# Altium PCB UAARG Autopilot.PcbDoc (part 1 of 4) (continued)
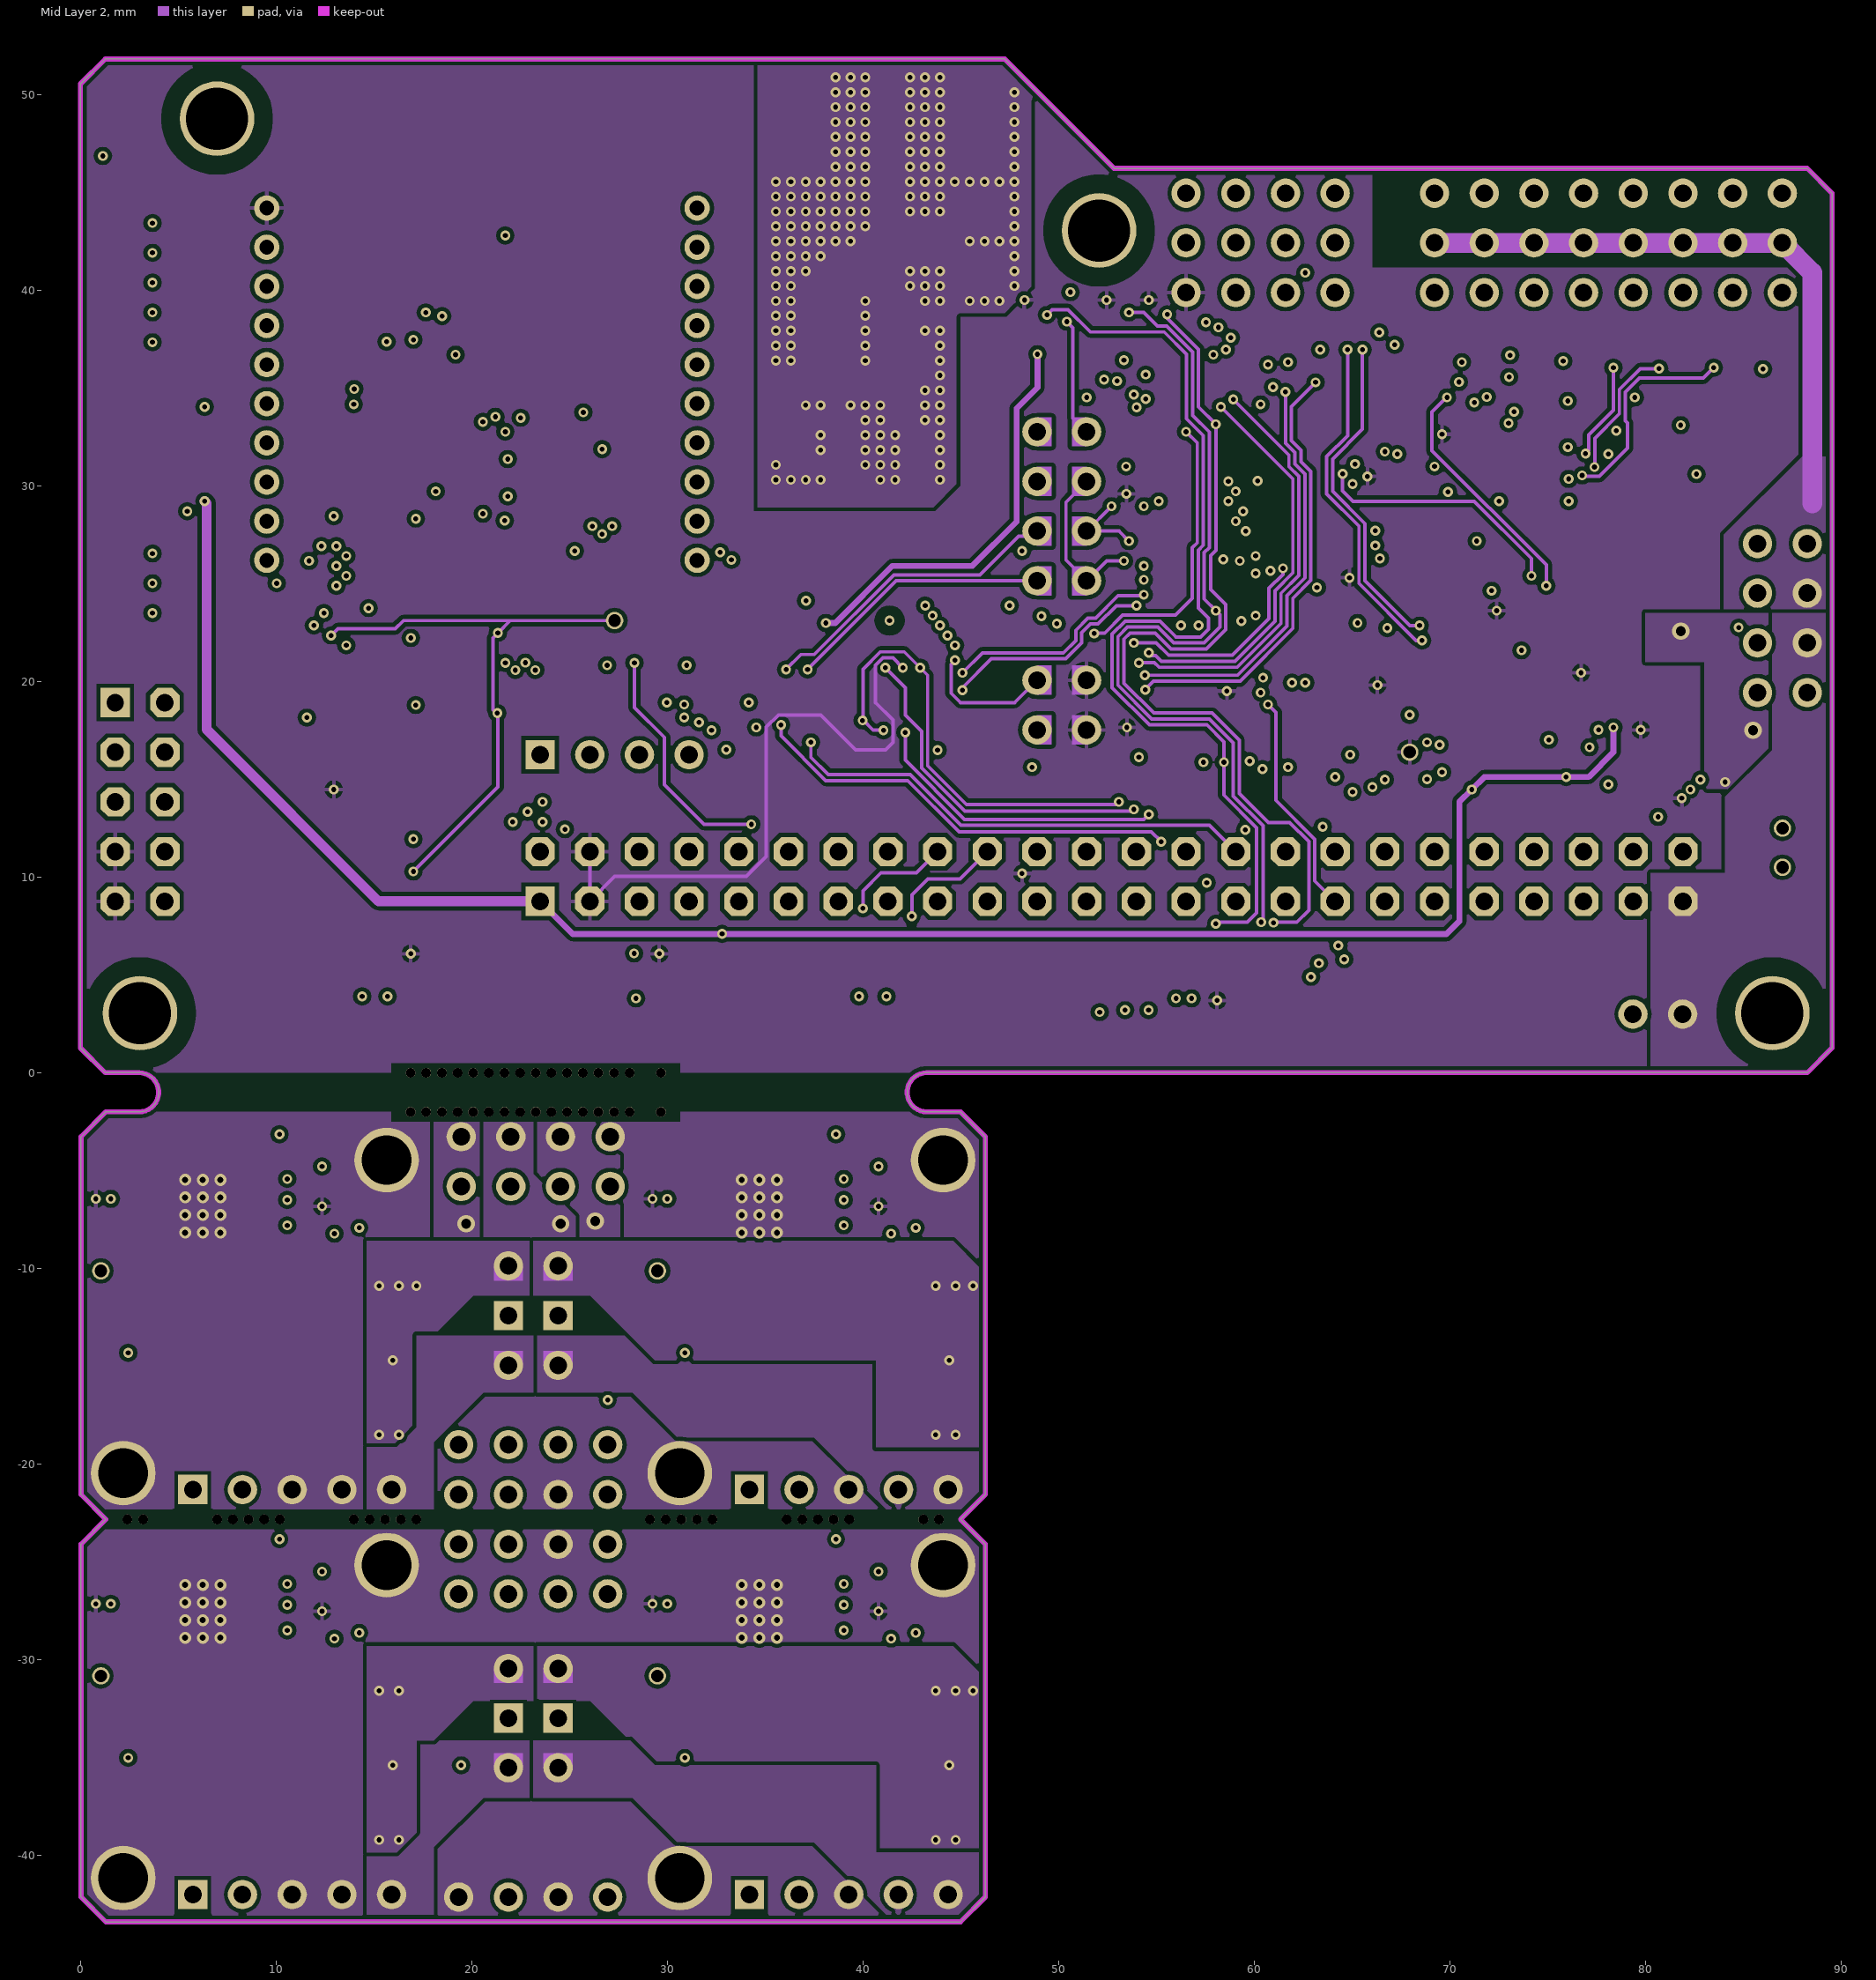
[diagram p3: Mid Layer 2]
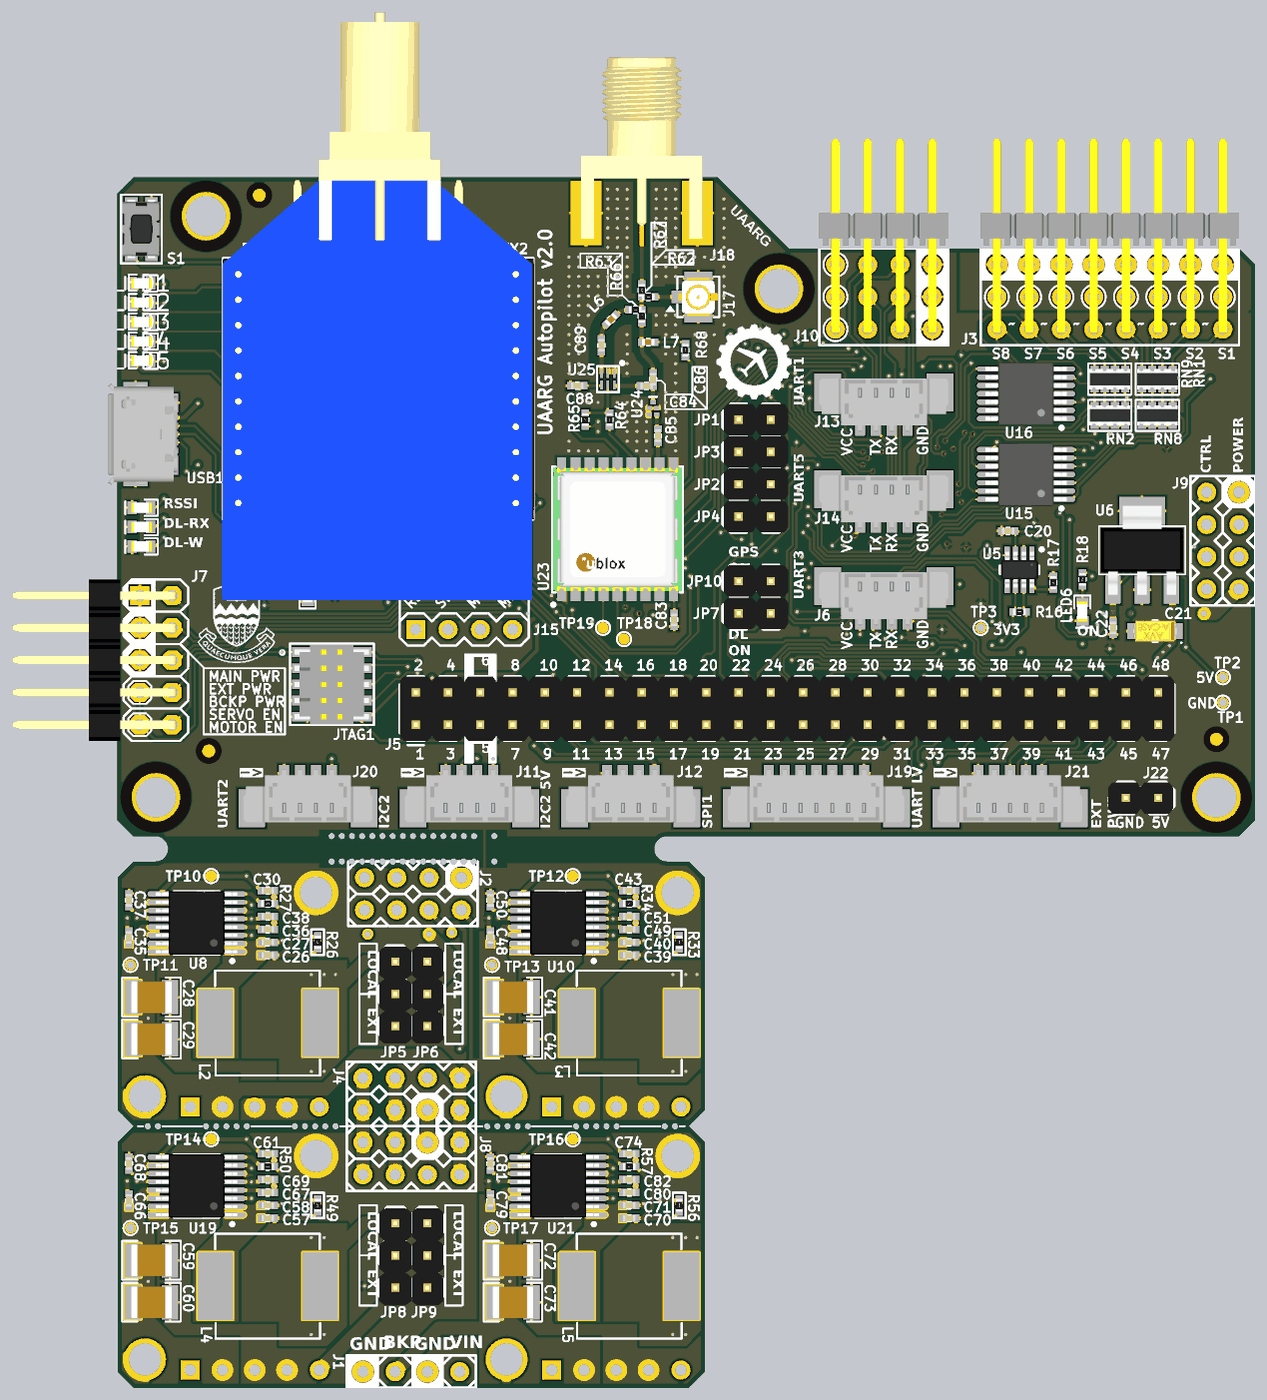
[diagram p7: 3D render of the assembled board from above, using the file's embedded part models]
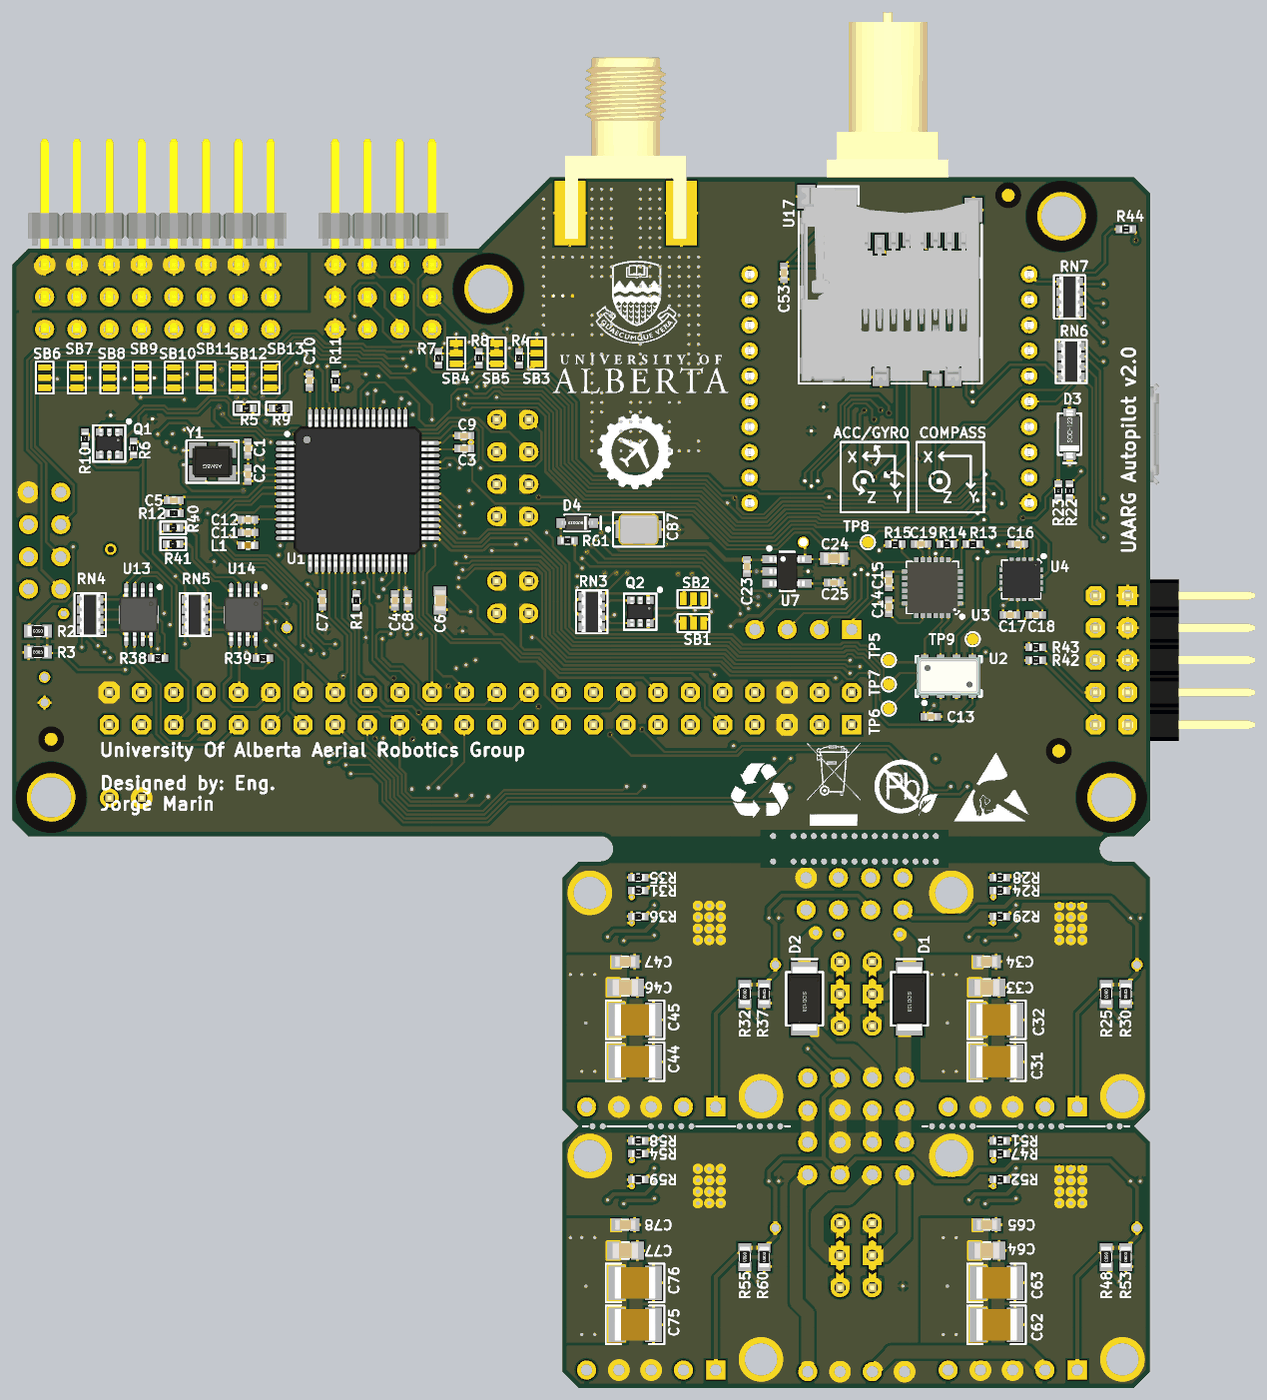
[diagram p8: 3D render of the assembled board from below, using the file's embedded part models]

## Layer stack, top to bottom
Top Solder: solder mask 0.0254, Solder Resist, Dk 3.5
Top Layer: signal copper 0.0356
Dielectric1: core 0.1702, FR-408, Dk 3.66
Mid Layer 1: signal copper 0.0178
Dielectric3: prepreg 1.1938, FR-408, Dk 3.66
Mid Layer 2: signal copper 0.0178
Dielectric2: core 0.1702, FR-408, Dk 3.66
Bottom Layer: signal copper 0.0356
Bottom Solder: solder mask 0.0254, Solder Resist, Dk 3.5

## Board outline
0.03,-42.132 1.3,-43.402 44.988,-43.402 46.258,-42.132 46.258,-24.098 44.988,-22.828 46.258,-21.558 46.258,-3.27 44.988,-2 43.258,-2 cw(c43.258,-1) 43.258,0 88.265,0 89.535,1.27 89.535,44.958 88.265,46.228 52.832,46.228 47.244,51.816 1.27,51.816 0,50.546 0,1.27 1.27,0 3,0 cw(c3,-1) 3,-2 1.3,-2 0.03,-3.27 0.03,-21.558 1.3,-22.828 0.03,-24.098

## Design rules (kind name [scope] priority, off if disabled: settings)
Clearance Clearance_Poly_Antenna [InPolygon vs (InNet('NetJ18_1') OR InNet('NetJ17_1') OR InNet('NetR58_2') OR InNet('RF_LNA') OR InNet('NetC87_1') OR InNet('NetC87_2') OR InNet('RF_OUT1') OR InNet('RF_OUT2') OR InNet('NetC82_2') OR InNet('NetC83_1') Or InNet('NetC83_2'))] p1: gap=0.508
Clearance Clearance_Poly [InPolygon] p2: gap=0.203
Clearance [All] p3: gap=0.127
ComponentClearance ComponentClearance_Conn [(InComponent('J2') OR InComponent('J4')) vs (InComponent('J8') OR InComponent('J9') OR InComponent('J11') OR InComponent('J12'))] p1: gap=0 collisioncheckmode=3 verticalgap=0 showdistances=FALSE
ComponentClearance ComponentClearance_RES/CAP [(InComponent('C84') OR InComponent('R62') OR InComponent('R63')) vs (InComponent('C86') OR InComponent('R66') OR InComponent('R67'))] p2: gap=0 collisioncheckmode=3 verticalgap=0 showdistances=FALSE
ComponentClearance ComponentClearance_Jumpers [(InComponent('JP1') OR InComponent('JP2') OR InComponent('JP3') OR InComponent('JP4') OR InComponent('JP6') OR InComponent('JP7') OR InComponent('JP8') OR InComponent('JP9') OR InComponent('JP11') OR InComponent('JP12') OR InComponent('JP13') OR InComponent('JP14'))] p3: gap=0 collisioncheckmode=3 verticalgap=0 showdistances=FALSE
ComponentClearance ComponentClearance_Ext_Buck [HasFootprint('D24V__F_')] p4: gap=0 collisioncheckmode=3 verticalgap=0 showdistances=FALSE
ComponentClearance ComponentClearance_XBee [InComponent('U12') vs (InComponent('EX1') OR InComponent('EX2'))] p5: gap=0 collisioncheckmode=3 verticalgap=0 showdistances=FALSE
ComponentClearance [All] p6: gap=0.254 collisioncheckmode=3 verticalgap=0.254 showdistances=FALSE
DiffPairsRouting [All] p1: maxlimit=0.254 minlimit=0.203 mostfreqgap=0.203 toplayer_minwidth=0.178 toplayer_maxwidth=0.381 toplayer_prefwidth=0.178 midlayer1_minwidth=0.178 midlayer1_maxwidth=0.381 midlayer1_prefwidth=0.178 midlayer2_minwidth=0.178 midlayer2_maxwidth=0.381 midlayer2_prefwidth=0.178 bottomlayer_minwidth=0.178 bottomlayer_maxwidth=0.381 bottomlayer_prefwidth=0.178 maxuncoupledlength=12.7
HoleSize [All] p1: absolutevalues=TRUE maxlimit=3.175 minlimit=0.025 maxpercent=80.000 minpercent=20.000
HoleToHoleClearance HoleToHoleClearance_XBee [InComponent('U12') vs (InComponent('EX1') OR InComponent('EX2'))] p1: gap=0 allowstackedmicrovias=FALSE
HoleToHoleClearance [All] p2: gap=0.254 allowstackedmicrovias=FALSE
MinimumSolderMaskSliver [All] p1: minsoldermaskwidth=0
PlaneClearance [All] p1: clearance=0.381
PolygonConnect PolygonConnect_Direct_Power [(InNet('VIN_BCKP') OR InNet('NetC57_1') OR InNet('VOUT_5V_BACKUP_LOCAL') OR InNet('VOUT_5V_BACKUP_SERVO') OR InNet('NetC70_1') OR InNet('VIN') OR InNet('NetC39_1') OR InNet('VOUT_5V_MAIN_LOCAL') OR InNet('VOUT_5V_MAIN_EXT') OR InNet('NetC26_1') OR InNet('DC1M_VOUT') OR InNet('DC2M_VOUT') OR InNet('DC3M_VOUT') OR InNet('DC4M_VOUT') OR InNet('+5V_SERVO') OR InNet('+5V_EXT') OR InNet('+5V_MAIN'))] p1: connectstyle=Direct reliefconductorwidth=0.254 reliefentries=4 polygonreliefangle="90 Angle" airgapwidth=0.254
PolygonConnect PolygonConnect_Direct_GND [InNet('GND') vs InComponent('J1') OR InComponent('U23') OR InComponent('J22') OR InComponent('J5') OR InComponent('U24') OR InComponent('U25') OR InComponent('J2') OR InComponent('J4') OR InComponent('J8') OR InComponent('J9') OR InComponent('U8') OR InComponent('U10') OR InComponent('U19') OR InComponent('U21') OR InComponent('U9') OR InComponent('U11') OR InComponent('U20') OR InComponent('U22')] p2: connectstyle=Direct reliefconductorwidth=0.254 reliefentries=4 polygonreliefangle="90 Angle" airgapwidth=0.254
PolygonConnect PolygonConnect_Direct_StitchingVias [All vs IsStitchingVia] p3: connectstyle=Direct reliefconductorwidth=0.254 reliefentries=4 polygonreliefangle="90 Angle" airgapwidth=0.254
PolygonConnect PolygonConnect_Direct_Autopilot [(InNet('+5V') OR InNet('+5V_ALT') OR InNet('SERVO_PWR'))] p4: connectstyle=Direct reliefconductorwidth=0.254 reliefentries=4 polygonreliefangle="90 Angle" airgapwidth=0.254
PolygonConnect [All] p5: connectstyle=Relief reliefconductorwidth=0.203 reliefentries=4 polygonreliefangle="90 Angle" airgapwidth=0.203
RoutingVias [All] p1: holewidth=0.254 width=0.508 viastyle="Through Hole" minholewidth=0.254 minwidth=0.381 maxholewidth=0.635 maxwidth=0.889
ShortCircuit "Schematic Short-Circuit Constraint_2" [InNet('UART5_VCC')] p1: allowed=TRUE
ShortCircuit "Schematic Short-Circuit Constraint_1" [InNet('UART1_VCC')] p2: allowed=TRUE
ShortCircuit "Schematic Short-Circuit Constraint" [InNet('+3V3')] p3: allowed=TRUE
ShortCircuit [All] p4: allowed=FALSE
SilkToSilkClearance [All] p1: silktosilkclearance=0
SilkToSolderMaskClearance [IsPad] p1: minsilkscreentomaskgap=0 clearancetoexposedcopper=TRUE
SolderMaskExpansion [All] p1: expansion=0.102
Width Width_antena_50ohm [(InNet('NetJ18_1') OR InNet('NetJ17_1') OR InNet('NetR62_2') OR InNet('RF_LNA') OR InNet('NetC89_1') OR InNet('NetC89_2') OR InNet('RF_OUT1') OR InNet('RF_OUT2') OR InNet('NetC84_2') OR InNet('NetC85_1') Or InNet('NetC85_2'))] p1: maxlimit=0.323 minlimit=0.287 preferedwidth=0.304
Width [All] p2: maxlimit=1.016 minlimit=0.178 preferedwidth=0.178
21 further rules are at their usual default settings.

## Classes and differential pairs
component class U_Connectors: J3 J6 J10 J11 J12 J13 J14 J19 J20 J21 J22 JP1 JP2 JP3 JP4 Q1 R4 R5 R6 R7 R8 R9 R10 RN1 RN2 SB3 SB4 SB5
component class U_GPS: C83 C84 C85 C86 C87 C88 C89 D4 J17 J18 JP10 L6 L7 R61 R62 R63 R64 R65 R66 R67 R68 TP18 TP19 U23 U24 U25
component class "U_Backup Power": C57 C58 C59 C60 C61 C62 C63 C64 C65 C66 C67 C68 C69 C70 C71 C72 C73 C74 C75 C76 C77 C78 C79 C80 C81 C82 JP8 JP9 L4 L5 R47 R48 R49 R50 R51 R52 R53 R54 R55 R56 R57 R58 R59 R60 TP14 TP15 TP16 TP17 U19 U20 U21 U22
component class "U_CAN, JTAG, LDO, USB": C20 C21 C22 C23 C24 C25 D3 JTAG1 LED6 R16 R17 R18 R19 R20 R21 R22 R23 U5 U6 U7 USB1 Z1 Z2
component class "U_Data Logger": C52 C53 C54 C55 C56 J15 J16 JP7 LED8 LED9 R45 R46 RN6 U17 U18 Y2
component class "U_Main Power": C26 C27 C28 C29 C30 C31 C32 C33 C34 C35 C36 C37 C38 C39 C40 C41 C42 C43 C44 C45 C46 C47 C48 C49 C50 C51 JP5 JP6 L2 L3 R24 R25 R26 R27 R28 R29 R30 R31 R32 R33 R34 R35 R36 R37 TP10 TP11 TP12 TP13 U8 U9 U10 U11
component class U_MCU: C1 C2 C3 C4 C5 C6 C7 C8 C9 C10 C11 C12 L1 R11 R12 U1 Y1
component class U_IMU: C13 C14 C15 C16 C17 C18 C19 R13 R14 R15 TP5 TP6 TP7 TP8 TP9 U2 U3 U4
component class "U_Switches, UI": LED1 LED2 LED3 LED4 LED5 R42 R43 R44 RN7 RN8 RN9 S1 SB6 SB7 SB8 SB9 SB10 SB11 SB12 SB13 U15 U16
component class "U_Telemetry, I2C": EX1 EX2 LED7 Q2 R38 R39 R40 R41 RN3 RN4 RN5 U12 U13 U14
component class "U_UAARG Autopilot": FID1 FID2 FID3 FID4 FID5 FID6 J5 J7 J9 MH1 MH2 MH3 MH4 R1 R2 R3 SB1 SB2 TP1 TP2 TP3 TP4
component class U_Power: D1 D2 J1 J2 J4 J8
differential pair D: +D_P -D_N
differential pair USB_D: +USB_D_P -USB_D_N

## Components (designator, comment, footprint, x,y, rotation, side; value= is the part's Value field where it differs from the comment)
C1 "CAP" CAP_0402[1005M] 70.993,30.48 r90 bottom
C2 "CAP" CAP_0402[1005M] 70.993,28.448 r270 bottom
C3 "CAP" CAP_0402[1005M] 53.975,30.48 r0 bottom
C4 "CAP" CAP_0402[1005M] 59.436,18.542 r90 bottom
C5 "CAP" CAP_0402[1005M] 76.835,26.416 r180 bottom
C6 "CAP" CAP_0603[1608M] 55.88,18.542 r90 bottom
C7 "Cap" CAP_0402[1005M] 65.151,18.542 r270 bottom
C8 "Cap" CAP_0402[1005M] 58.42,18.542 r270 bottom
C9 "Cap" CAP_0402[1005M] 53.975,31.496 r180 bottom
C10 "Cap" CAP_0402[1005M] 66.167,35.814 r90 bottom
C11 "CAP" CAP_0402[1005M] 70.993,23.876 r180 bottom
C12 "Cap" CAP_0402[1005M] 70.993,24.892 r0 bottom
C13 "Cap" CAP_0402[1005M] 17.272,9.398 r180 bottom
C14 "CAP" CAP_0402[1005M] 20.574,18.034 r90 bottom
C15 "Cap" CAP_0402[1005M] 20.574,20.066 r270 bottom
C16 "Cap" CAP_0402[1005M] 10.414,22.987 r0 bottom
C17 "Cap" CAP_0402[1005M] 11.049,17.399 r0 bottom
C18 "Cap" CAP_0402[1005M] 9.017,17.399 r180 bottom
C19 "Cap" CAP_0402[1005M] 18.034,22.987 r180 bottom
C20 "Cap" CAP_0402[1005M] 70.104,24.003 r180 top
C21 "CAP_POL" CAPMP3216X16N 81.661,16.129 r180 top
C22 "Cap" CAP_0402[1005M] 78.359,16.383 r270 top
C23 "CAP" CAP_0402[1005M] 31.75,21.209 r90 bottom
C24 "CAP" CAP_0603[1608M] 24.892,21.844 r0 bottom
C25 "CAP" CAP_0402[1005M] 24.892,19.939 r180 bottom
C26 "Cap" CAP_0402[1005M] 11.841,-9.366 r0 top
C27 "Cap" CAP_0402[1005M] 11.841,-8.35 r180 top
C28 "Cap" CAP_1210[3225M] 2.697,-12.668 r0 top
C29 "Cap" CAP_1210[3225M] 2.697,-15.97 r0 top
C30 "Cap" CAP_0402[1005M] 11.841,-4.286 r180 top
C31 "Cap" CAP_1210[3225M] 12.095,-17.748 r180 bottom
C32 "Cap" CAP_1210[3225M] 12.095,-14.446 r180 bottom
C33 "Cap" CAP_0805[2012M] 12.857,-11.906 r180 bottom
C34 "Cap" CAP_0603[1608M] 12.857,-9.874 r180 bottom
C35 "Cap" CAP_0402[1005M] 0.919,-7.969 r90 top
C36 "CAP" CAP_0402[1005M] 11.841,-7.334 r180 top
C37 "Cap" CAP_0402[1005M] 0.919,-5.048 r90 top
C38 "Cap" CAP_0402[1005M] 11.841,-6.318 r0 top
C39 "Cap" CAP_0402[1005M] 40.289,-9.366 r0 top
C40 "Cap" CAP_0402[1005M] 40.289,-8.35 r180 top
C41 "Cap" CAP_1210[3225M] 31.145,-12.668 r0 top
C42 "Cap" CAP_1210[3225M] 31.145,-15.97 r0 top
C43 "Cap" CAP_0402[1005M] 40.289,-4.286 r180 top
C44 "Cap" CAP_1210[3225M] 40.543,-17.748 r180 bottom
C45 "Cap" CAP_1210[3225M] 40.543,-14.446 r180 bottom
C46 "Cap" CAP_0805[2012M] 41.305,-11.906 r180 bottom
C47 "Cap" CAP_0603[1608M] 41.305,-9.874 r180 bottom
C48 "Cap" CAP_0402[1005M] 29.367,-7.969 r90 top
C49 "CAP" CAP_0402[1005M] 40.289,-7.334 r180 top
C50 "Cap" CAP_0402[1005M] 29.367,-5.048 r90 top
C51 "Cap" CAP_0402[1005M] 40.289,-6.318 r0 top
C52 "Cap" CAP_0402[1005M] 18.796,24.384 r180 top
C53 "Cap" CAP_0402[1005M] 28.829,44.323 r270 bottom
C54 "Cap" CAP_0402[1005M] 27.305,29.972 r0 top
C55 "Cap" CAP_0402[1005M] 27.33,30.886 r0 top
C56 "Cap" CAP_0402[1005M] 13.97,36.449 r90 top
C57 "Cap" CAP_0402[1005M] 11.841,-30.067 r0 top
C58 "Cap" CAP_0402[1005M] 11.841,-29.051 r180 top
C59 "Cap" CAP_1210[3225M] 2.697,-33.369 r0 top
C60 "Cap" CAP_1210[3225M] 2.697,-36.671 r0 top
C61 "Cap" CAP_0402[1005M] 11.841,-24.987 r180 top
C62 "Cap" CAP_1210[3225M] 12.095,-38.449 r180 bottom
C63 "Cap" CAP_1210[3225M] 12.095,-35.147 r180 bottom
C64 "Cap" CAP_0805[2012M] 12.857,-32.607 r180 bottom
C65 "Cap" CAP_0603[1608M] 12.857,-30.575 r180 bottom
C66 "Cap" CAP_0402[1005M] 0.919,-28.67 r90 top
C67 "CAP" CAP_0402[1005M] 11.841,-28.035 r180 top
C68 "Cap" CAP_0402[1005M] 0.919,-25.749 r90 top
C69 "Cap" CAP_0402[1005M] 11.841,-27.019 r0 top
C70 "Cap" CAP_0402[1005M] 40.289,-30.067 r0 top
C71 "Cap" CAP_0402[1005M] 40.289,-29.051 r180 top
C72 "Cap" CAP_1210[3225M] 31.145,-33.369 r0 top
C73 "Cap" CAP_1210[3225M] 31.145,-36.671 r0 top
C74 "Cap" CAP_0402[1005M] 40.289,-24.987 r180 top
C75 "Cap" CAP_1210[3225M] 40.543,-38.449 r180 bottom
C76 "Cap" CAP_1210[3225M] 40.543,-35.147 r180 bottom
C77 "Cap" CAP_0805[2012M] 41.305,-32.607 r180 bottom
C78 "Cap" CAP_0603[1608M] 41.305,-30.575 r180 bottom
C79 "Cap" CAP_0402[1005M] 29.367,-28.67 r90 top
C80 "CAP" CAP_0402[1005M] 40.289,-28.035 r180 top
C81 "Cap" CAP_0402[1005M] 29.367,-25.749 r90 top
C82 "Cap" CAP_0402[1005M] 40.289,-27.019 r0 top
C83 "Cap" CAP_0402[1005M] 43.815,17.018 r90 top
C84 "Cap" CAP_0402[1005M] 41.656,35.416 r0 top
C85 "Cap" CAP_0402[1005M] 42.545,31.496 r270 top
C86 "Cap" CAP_0402[1005M] 42.164,35.941 r270 top
C87 "CAP_POL" SUPERCAP_1210[3225M] 40.259,24.13 r180 bottom
C88 "Cap" CAP_0402[1005M] 36.195,35.433 r180 top
C89 "Cap" CAP_0402[1005M] 38.1,38.608 r270 top
D1 "SCHOTTKY DIODE" SOD-128 18.953,-12.795 r270 bottom
D2 "SCHOTTKY DIODE" SOD-128 27.208,-12.795 r270 bottom
D3 "SCHOTTKY DIODE" SOD-123 6.35,31.623 r90 bottom
D4 "DIODE" SOD-323 45.085,24.638 r0 bottom
EX1 "Header 10 2mm" "2mm pitch female header" 9.525,44.196 r0 top locked
EX2 "Header 10 2mm" "2mm pitch female header" 31.525,44.196 r0 top locked
FID1 "Ficudial" FIDUCIAL_1 7.2,6.7 r180 top locked
FID2 "Ficudial" FIDUCIAL_1 86.487,7.62 r90 top locked
FID3 "Ficudial" FIDUCIAL_1 11.176,50.419 r90 top locked
FID4 "Ficudial" FIDUCIAL_1 7.2,6.7 r180 bottom locked
FID5 "Ficudial" FIDUCIAL_1 86.487,7.62 r90 bottom locked
FID6 "Ficudial" FIDUCIAL_1 11.176,50.419 r90 bottom locked
J1 "POWER" 1X04_v2 26.954,-42.132 r180 top
J2 "Header 4X2" 2X04 27.081,-3.27 r270 top
J3 "Servo" HDR_3X08_RA 86.995,44.958 r180 top locked
J4 "Header 4X2" 2X04 26.954,-19.018 r270 top
J5 "Main Port" HDR_2X24 23.495,8.763 r0 top locked
J6 "PB-UART3" PICOBLADE_1X04_VERT_SMD 60.325,18.288 r0 top
J7 "Switches" HDR_2X05 1.778,18.923 r270 top locked
J8 "Header 4X2" 2X04 26.954,-24.098 r270 top
J9 "Power" 2X04 85.725,27.051 r0 top
J10 "Header" HDR_3X04_RA 64.135,44.958 r180 top locked
J11 "PB-I2C2" PICOBLADE_1X04_VERT_SMD 27.71,3.567 r180 top
J12 "PB-I2C2_5V" PICOBLADE_1X04_VERT_SMD 40.41,3.567 r180 top
J13 "PB-UART1" PICOBLADE_1X04_VERT_SMD 60.325,33.528 r0 top
J14 "PB-UART5" PICOBLADE_1X04_VERT_SMD 60.325,25.908 r0 top
J15 "ICSP" 1X04 23.495,16.256 r0 top
J16 "FTDI" "HEADER RA 6 2.54" 20.447,40.767 r270 top
J17 "U.FL" U.FL_1 45.72,42.418 r270 top
J18 "SMA" SMA 41.275,49.022 r0 top
J19 "PB-SPI1" PICOBLADE_1X07_VERT_SMD 55.015,3.567 r180 top
J20 "PB-UART2" PICOBLADE_1X04_VERT_SMD 15.01,3.567 r180 top
J21 "PB-UART_LV" PICOBLADE_1X05_VERT_SMD 70.255,3.567 r180 top
J22 "Ext. Power" HDR_1x02 81.9,3 r180 top
JP1 "Jumper" HDR_1x02_JMP 48.895,32.766 r0 top
JP2 "Jumper" HDR_1x02_JMP 48.895,27.686 r0 top
JP3 "Jumper" HDR_1x02_JMP 48.895,30.226 r0 top
JP4 "Jumper" HDR_1x02_JMP 48.895,25.146 r0 top
JP5 "Jumper" JUMPER_3POS 21.874,-12.414 r270 top